# Altium PCB shoubing.PcbDoc
Units mil, origin at the board's own origin, x right, y up, seen from the top; angles counter-clockwise.
Board outline 3891.38 x 2896.04 mil, 2 copper layers (Top Layer, Bottom Layer); 33 components, 50 nets, 145 pads, 63 vias.
Unrouted connection lines stored in the file: 14.
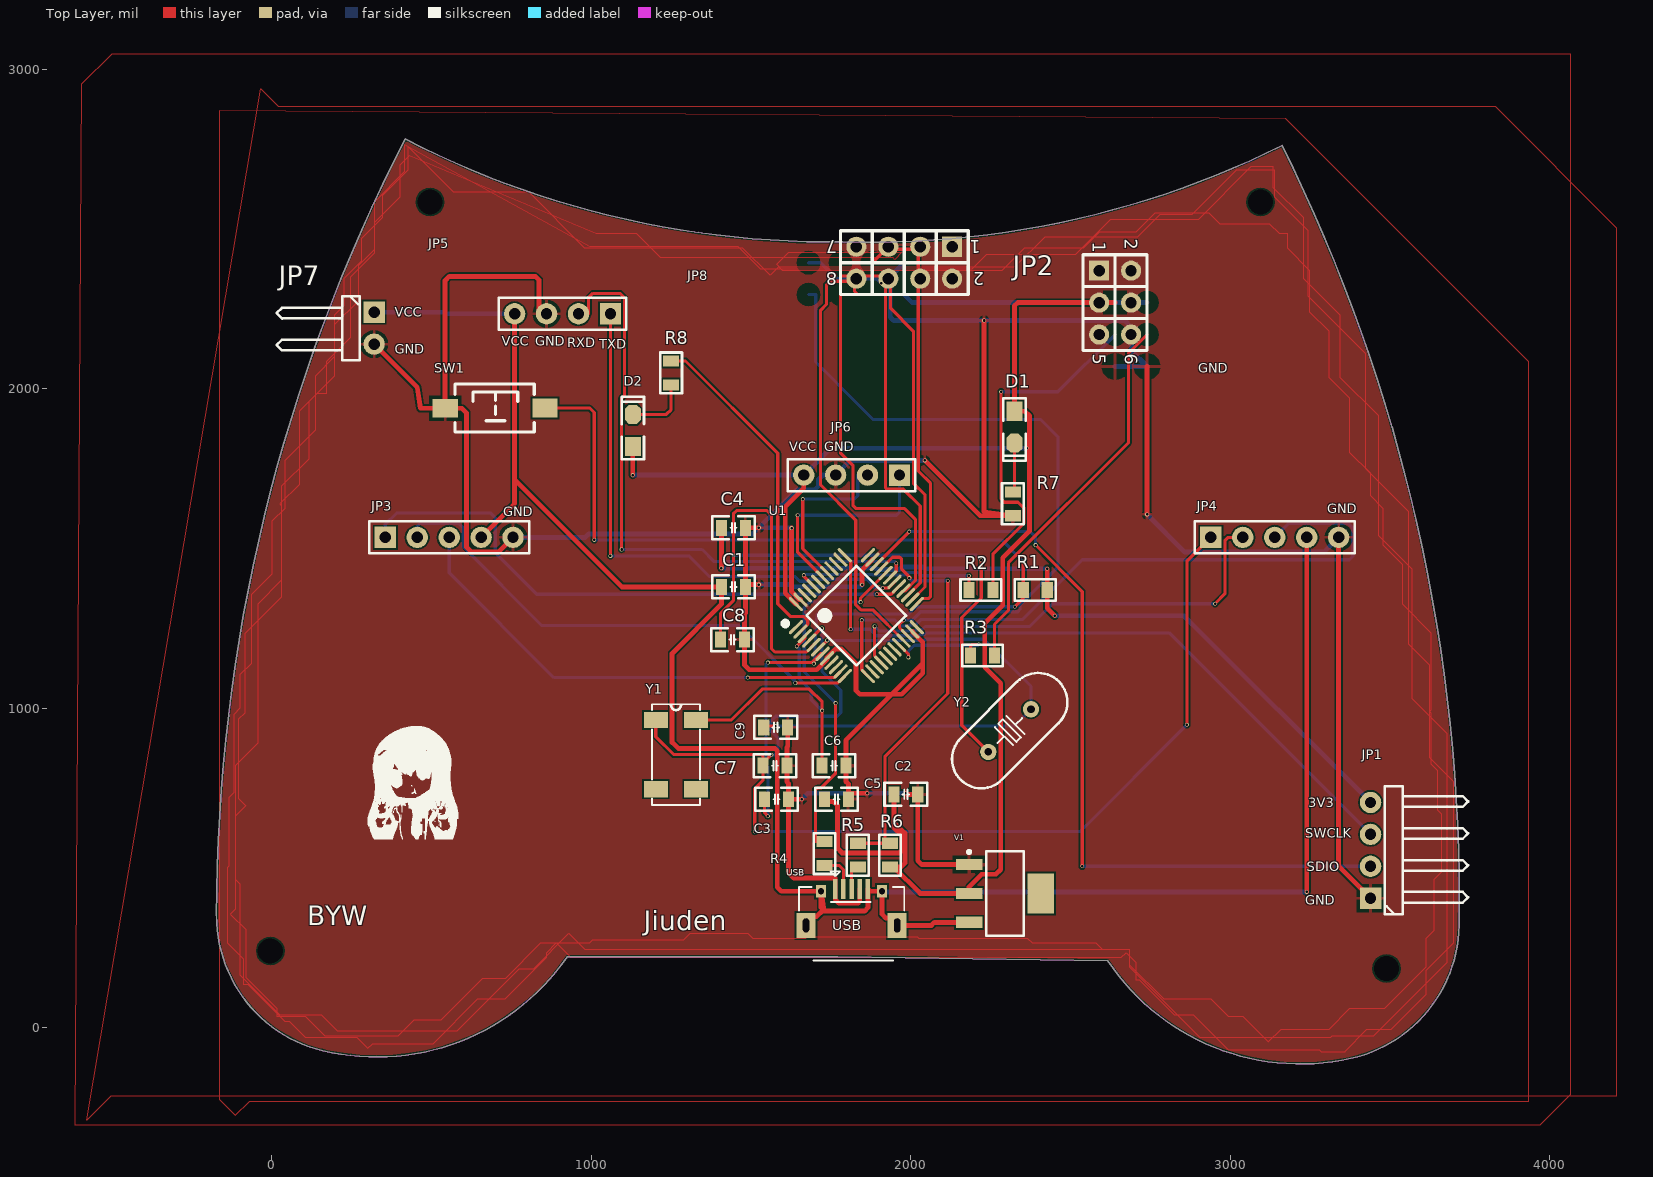
[diagram p0: Top Layer view]
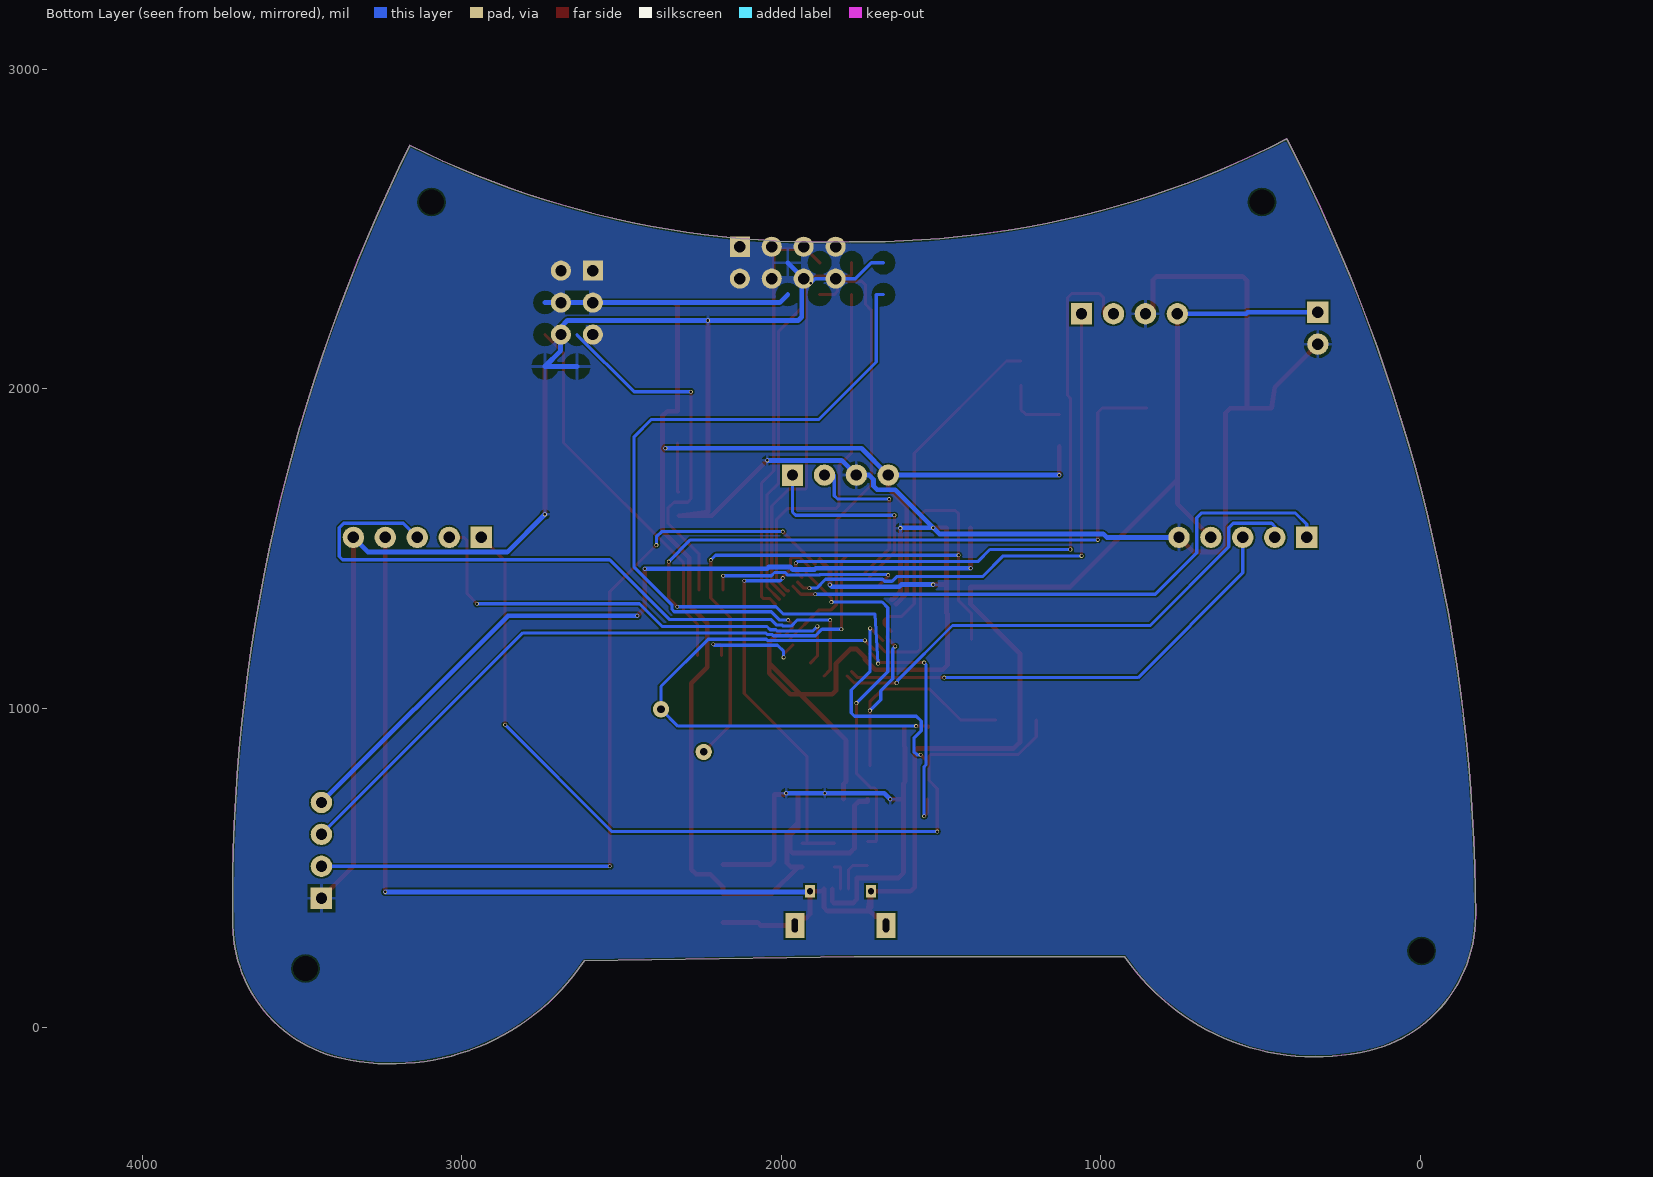
[diagram p1: Bottom Layer view, seen from below]

## Layer stack, top to bottom
Top Solder: solder mask 0.4, Solder Resist, Dk 3.5
Top Layer: signal copper 1.4
Dielectric 1: dielectric 12.6, FR-4, Dk 4.8
Bottom Layer: signal copper 1.4
Bottom Solder: solder mask 0.4, Solder Resist, Dk 3.5

## Board outline
159.5,-72.25 cw(c260.17,349.58) -173.5,349.58 cw(c5131.45,349.58) 417.27,2782.5 ccw(c1743.77,5352.79) 1787.79,2460.72 ccw(c1875.09,5351.81) 3162.97,2761.96 cw(c-1587.07,399.84) 3717.28,320.47 cw(c3283.66,326.96) 3378,-96.32 cw(c3220.38,610.91) 2617.44,209.04 1771.04,221.71 924.55,221.71 cw(c327.69,632.55)

## Design rules (kind name [scope] priority, off if disabled: settings)
Clearance [All] p1: gap=5 ignorepadtopadclearanceinfootprint=FALSE
HoleSize [All] p1: absolutevalues=TRUE maxlimit=14 minlimit=8 maxpercent=80.000 minpercent=20.000
PolygonConnect [All] p1: connectstyle=Relief reliefconductorwidth=10 reliefentries=4 polygonreliefangle="90 Angle" airgapwidth=10
RoomDefinition Sheet1 [InComponentClass('Sheet1')] p1: confinementstyle=ConfineIn formatcopy=TRUE lockcomponents=FALSE outline -2145,-2105 -145,-2105 -145,-1105 -2145,-1105
RoutingVias [All] p1: holewidth=7.87 width=11.81 viastyle="Through Hole" minholewidth=3.94 minwidth=23.62 maxholewidth=7.87 maxwidth=11.81
SolderMaskExpansion [All] p1: expansion=4
Width Power [InNetClass('power')] p1: maxlimit=20 minlimit=5 preferedwidth=15
Width [InNetClass('All Nets')] p2: maxlimit=10 minlimit=10 preferedwidth=10
29 further rules are at their usual default settings.

## Components (designator, comment, footprint, x,y, rotation, side; value= is the part's Value field where it differs from the comment)
C1 "106" "C 0805_L" 1445,1380 r180 top
C2 "104" "C 0805_L" 1985,730 r180 top
C3 "104" "C 0805_L" 1580,715 r180 top
C4 "104" "C 0805_L" 1445,1565 r180 top
C5 "104" "C 0805_L" 1767.6,715 r180 top
C6 "104" "C 0805_L" 1760,820 r0 top
C7 "104" "C 0805_L" 1575.16,820 r0 top
C8 "104" "C 0805_L" 1442.4,1215 r180 top
C9 "104" "C 0805_L" 1577.4,940 r180 top
D1 "LED" "LED 0805G" 2325,1880 r270 top
D2 "LED" "LED 0805G" 1130,1870 r90 top
JP1 "HDR-1X4" HDR2.54-WI-4P 3440,555 r90 top
JP2 "Header3X2" HDR2.54-LI-2x3P 2640,2270 r270 top
JP3 "HDR-1X5" HDR2.54-LI-5P 555,1535 r0 top
JP4 "HDR-1X5" HDR2.54-M-LI-5P 3140,1535 r0 top
JP5 "HDR-1X4" HDR2.54-M-LI-4P 910,2235 r180 top
JP6 "HDR-1X4" HDR2.54-M-LI-4P 1815,1730 r180 top
JP7 "HDR-1X2" HDR2.54-WI-2P 320,2190 r270 top
JP8 "Header 4X2" HDR2.54-LI-2x4P 1980,2395 r180 top
R1 "10K" "R 0805_L" 2390.16,1370 r0 top
R2 "1K" "R 0805_L" 2220,1370 r0 top
R3 "1K" "R 0805_L" 2225,1165 r180 top
R4 "1K" "R 0805_L" 1730,545 r90 top
R5 "1K" "R 0805_L" 1834.52,540 r90 top
R6 "1K" "R 0805_L" 1935,540 r90 top
R7 "680" "R 0805_L" 2320,1640 r90 top
R8 "680" "R 0805_L" 1250,2049.84 r90 top
SW1 "3x6x5" "TSW SMD-3*6*2.5" 700,1940 r0 top
U1 "STM32F103C8T6" "TQFP48 7x7_L" 1830,1290 r315 top
USB "USB-mrico" USB-micro_B 1815,320 r0 top
V1 "AMS1117-3V3" SOT223_L 2295,420 r0 top
Y1 "32.768K" MC-306 1265,855 r270 top
Y2 "12MHz" "OSC HC-49S" 2310,930 r225 top

## Footprints (in the part's own frame and the unit in brackets; to place one, negate y for a bottom-side part, rotate by r counter-clockwise, add the part's x,y. Pads: shape width x height; smd on the part's side, far side on the other; paste and mask are expansions set on the pad)
"C 0805_L" [mil] "无极性贴片电容                                        淘宝ID:黄晶宝石"
  rect 35x50 smd: 1(-37.4,0) 2(37.4,0)
  silkscreen extent -67,-36 67,36, body extent -39,-24 39,24, height 20
HDR2.54-LI-2x3P [mm] "双排排针，3x2脚"
  rect 1.6x1.6 hole 0.9: 1(-2.54,-1.27)
  round 1.6 hole 0.9: 2(-2.54,1.27) 3(0,-1.27) 4(0,1.27) 5(2.54,-1.27) 6(2.54,1.27)
  silkscreen extent -3.81,-2.54 3.81,2.54, body extent -3.81,-2.54 3.81,2.54, height 8.5
HDR2.54-LI-2x4P [mm] "双排排针，4x2脚"
  rect 1.6x1.6 hole 0.9: 1(-3.81,-1.27)
  round 1.6 hole 0.9: 2(-3.81,1.27) 3(-1.27,-1.27) 4(-1.27,1.27) 5(1.27,-1.27) 6(1.27,1.27) 7(3.81,-1.27) 8(3.81,1.27)
  silkscreen extent -5.08,-2.54 5.08,2.54, body extent -5.08,-2.54 5.08,2.54, height 8.5
HDR2.54-LI-5P [mm] "排针，5脚"
  rect 1.7x1.7 hole 0.9: 1(-5.08,0)
  round 1.7 hole 0.9: 2(-2.54,0) 3(0,0) 4(2.54,0) 5(5.08,0)
  silkscreen extent -6.35,-1.27 6.35,1.27, body extent -6.35,-1.27 6.35,1.27, height 8.5
HDR2.54-M-LI-4P [mm] "排母，4脚"
  rect 1.7x1.7 hole 0.9: 1(-3.81,0)
  round 1.7 hole 0.9: 2(-1.27,0) 3(1.27,0) 4(3.81,0)
  silkscreen extent -5.08,-1.27 5.08,1.27, body extent -5.08,-1.27 5.08,1.27, height 8.5
HDR2.54-M-LI-5P [mm] "排母，5脚"
  rect 1.7x1.7 hole 0.9: 1(-5.08,0)
  round 1.7 hole 0.9: 2(-2.54,0) 3(0,0) 4(2.54,0) 5(5.08,0)
  silkscreen extent -6.35,-1.27 6.35,1.27, body extent -6.35,-1.27 6.35,1.27, height 8.5
HDR2.54-WI-2P [mm] "弯脚排针，2脚"
  rect 1.7x1.7 hole 0.9: 1(-1.27,0)
  round 1.7 hole 0.9: 2(1.27,0)
  silkscreen extent -2.54,-7.76 2.54,-1.14, body extent -2.54,-7.77 2.54,1.27, height 4.85
HDR2.54-WI-4P [mm] "弯脚排针，4脚"
  rect 1.7x1.7 hole 0.9: 1(-3.81,0)
  round 1.7 hole 0.9: 2(-1.27,0) 3(1.27,0) 4(3.81,0)
  silkscreen extent -5.08,-7.76 5.08,-1.14, body extent -5.08,-7.77 5.08,1.27, height 4.85
"LED 0805G" [mil] "绿色0805LED"
  rect 60x50 smd: 1(-50,0)
  oct 60x50 smd: 2(50,0)
  silkscreen extent -90,-35 105,35, body extent -39,-25 39,25, height 32
MC-306 [mm]
  rect 1.3x1.9 smd: 1(-2.75,-1.6) 2(2.75,-1.6) 3(2.75,1.6) 4(-2.75,1.6)
  silkscreen extent -4,-1.9 4,1.9
"OSC HC-49S" [mm]
  round 1.3 hole 0.6: 1(-2.4,0) 2(2.4,0)
  silkscreen extent -5.52,-2.32 5.52,2.33, body extent -5.52,-2.32 5.53,2.33, height 4.13
"R 0805_L" [mil] "1/8W贴片电阻"
  rect 35x50 smd: 1(-37.4,0) 2(37.4,0)
  silkscreen extent -64,-34 64,34, body extent -39,-25 39,25, height 20
SOT223_L [mm] "SOT223, 4-Leads, Body 6.5x3.5mm, Pitch 2.3mm, Lead Span 7mm, IPC High Density"
  rect 2.1x0.9 smd: 1(-2.85,2.3) 2(-2.85,0) 3(-2.85,-2.3)
  rect 2.1x3.2 smd: 4(2.85,0)
  silkscreen extent -2.97,-3.35 1.5,3.42, body extent -1.85,-3.35 1.85,3.35, height 1.7
"TQFP48 7x7_L" [mm] "48脚，体宽：7x7mm, 脚距：0.5mm"
  oval 0.25x1.5 smd: 1(-2.75,-4.046) 2(-2.25,-4.046) 3(-1.75,-4.046) 4(-1.25,-4.046) 5(-0.75,-4.046) 6(-0.25,-4.046) 7(0.25,-4.046) 8(0.75,-4.046) 9(1.25,-4.046) 10(1.75,-4.046) 11(2.25,-4.046) 12(2.75,-4.046) 25(2.75,4.046) 26(2.25,4.046) 27(1.75,4.046) 28(1.25,4.046) 29(0.75,4.046) 30(0.25,4.046) 31(-0.25,4.046) 32(-0.75,4.046) 33(-1.25,4.046) 34(-1.75,4.046) 35(-2.25,4.046) 36(-2.75,4.046)
  oval 1.5x0.25 smd: 13(4.046,-2.75) 14(4.046,-2.25) 15(4.046,-1.75) 16(4.046,-1.25) 17(4.046,-0.75) 18(4.046,-0.25) 19(4.046,0.25) 20(4.046,0.75) 21(4.046,1.25) 22(4.046,1.75) 23(4.046,2.25) 24(4.046,2.75) 37(-4.046,2.75) 38(-4.046,2.25) 39(-4.046,1.75) 40(-4.046,1.25) 41(-4.046,0.75) 42(-4.046,0.25) 43(-4.046,-0.25) 44(-4.046,-0.75) 45(-4.046,-1.25) 46(-4.046,-1.75) 47(-4.046,-2.25) 48(-4.046,-2.75)
  silkscreen extent -3.68,-4.57 2.79,2.79, body extent -4.5,-4.5 4.5,4.5, height 1.05
"TSW SMD-3*6*2.5" [mm] "3*6*2.5mm"
  rect 2x1.5 smd: 1(-3.996,-0.02) 2(3.937,0)
  silkscreen extent -3.21,-1.9 3.09,1.9, body extent -4,-1.88 4,1.62, height 2.59
USB-micro_B [mm] "micro型USB ，5.7*7.8*2.5mm"
  rect 0.35x1.6 smd: 1(-1.3,2.9) 2(-0.65,2.9) 3(0,2.9) 4(0.65,2.9) 5(1.3,2.9)
  rect 1.5x2 hole 0.5 slot 1.1 at 90 deg: 5(-3.625,0) 5(3.625,0)
  rect 0.8x1 hole 0.5: 5(-2.425,2.71) 5(2.425,2.71)
  silkscreen extent -4.19,-2.79 4.19,4.3, body extent -4,-2.71 4,2.89, height 2.8

## Part data
C1 C2 C3 C4 C5 C6 C7 C8 C9: library part C, "贴片电容"
JP1 JP5 JP6: library part "Header 4", "4P接插件"
  JP5 JP6: BOM名称=4P接, 学习资源=https://shop463601444.taobao., 版权归属=封装库来自淘
JP2: library part "Header 3X2", "3*2P接插件"
JP3 JP4: library part "Header 5", "5P接插件", BOM名称=5P接, 学习资源=https://shop463601444.taobao., 版权归属=封装库来自淘
JP7: library part "Header 2", "2P接插件"
JP8: "4*2P接插件"
R1 R2 R3 R4 R5 R6 R7 R8: library part R, "贴片电阻"
SW1: library part "TSW 3x6", "3x6轻触开关", BOM名称=3x6Çá´, 学习资源=https://shop463601444.taobao., 版权归属=封装库来自淘
USB: library part usb-STM
V1: library part AMS1117, "三端稳压芯片", BOM名称=ÎÈÑ, 欢迎光临淘宝店铺=https://shop463601444.tao, 淘宝ID=封装库来自淘宝
Y1: library part XTAL, LatestRevisionDate=17-Jul-2002, LatestRevisionNote="Re-released for DXP Platform.", Published=8-Jun-2000, Publisher="Altium Limited"
Y2: library part XTAL-2P, "2脚无源脚晶振"

## Via types
v1: diameter 11.81, hole 7.87, Top Layer to Bottom Layer, 59 vias
v2: diameter 50/50 (per signal layer), hole 78.74, Top Layer to Bottom Layer, 4 vias

## Nets (pads, with @x,y where several pads share a name; then routed paths per layer and width w, separated by ;. In a path a pad name is that pad's centre, name@x,y a point inside that pad or via, vN(x,y) a via of type N, cw(c..) or ccw(c..) an arc to the next point about the centre after c; other vN are vias at no path point)
3V3: C4.2 JP1.4 R1.2 | length 2542.1
  Top Layer w15: v1(1407.6,1438.5) C4.2 ; v1(2427.55,1437) R1.2 2427.55,1313 v1(2451,1289.55)
  Bottom Layer w15: v1(1407.6,1438.5) 1892.16,1438.5 1896.41,1434.25 1964.05,1434.25 1972.2,1442.41 2039.01,1442.41 2044.42,1437 v1(2427.55,1437) ; v1(2451,1289.55) 2855.45,1289.55 JP1.4
+5: C1.2 JP3.4 JP4.4 JP5.4 JP7.1 USB.5 V1.3 | length 6716
  Top Layer w15: JP3.4 760,1640 760,1716 ; JP5.4 760,1716 ; USB.5@1672.28,320 1672.28,347 1705,347 1726.26,368.26 ; V1.3 2074.45,329.45 2065,320 1957.72,320 1957.72,343 1922.47,343 1910.47,355 1910.47,426.69 1873.66,426.69 1866.18,434.17 1866.18,375 1856.18,365 1729.53,365 ; v1(3240,425) JP4.4 ; 760,1716 1096,1380 C1.2 1407.6,1326 1253,1171.4 1253,893 1272,874 1575,874 1582.41,866.59 1582.41,439.59 1595,427 1719.53,427 USB.5@1719.53,426.69 ; USB.5@1719.53,426.69 1729.53,365 ; USB.5@1719.53,426.69 1719.53,375 1726.26,368.26 ; 1726.26,368.26 1729.53,365
  Bottom Layer w15: JP7.1 540,2240 545,2235 JP5.4 ; USB.5@1910.47,426.69 1910.47,425 v1(3240,425)
BOOT0: R2.1 U1.44 | length 619.9
  Top Layer w10: v1(1665,1416.75) 1665,1413.24 U1.44 ; R2.1 v1(2182.6,1415)
  Bottom Layer w10: v1(1665,1416.75) 1667.16,1418.91 1878.91,1418.91 1881.06,1416.75 1979.7,1416.75 1987.86,1424.91 2021.51,1424.91 2031.42,1415 v1(2182.6,1415)
BOOT1: R3.2 U1.20 | length 357.8
  Top Layer w10: U1.20 1991.76,1170 1993,1170 v1(1993,1159) ; R3.2 2187.6,1195 2192.6,1200 v1(2213,1200)
  Bottom Layer w10: v1(1993,1159) 1993,1178 2012.09,1197.09 2210.09,1197.09 v1(2213,1200)
GND: C1.1 C2.1 C3.1 C4.1 C5.1 C6.2 C7.2 C8.1 C9.1 JP1.1 JP2.5 JP2.6 JP3.5 JP4.5 JP5.3 JP6.3 JP7.2 JP8.1 R7.1 SW1.1 U1.8 U1.23 U1.35 U1.47 USB.1 USB.4 V1.1 | length 12099.4
  Top Layer w15: JP7.2 455,2005 465,1939.21 SW1.1@542,1939.21 ; JP3.5 709,1489 625,1489 609,1505 609,1925.21 595,1939.21 SW1.1 SW1.1@542,1939.21 ; JP5.3 836,2235 836,2341 825,2352 555,2352 542,2339 SW1.1@542,1939.21 ; v1(1525,1387) C1.1@1482.4,1387 ; v1(1525,1565) C4.1 C1.1@1482.4,1387 ; C9.1 1614.8,880.25 1612.56,878 C7.2 1612.56,769.85 1617.4,765 C3.1 ; v1(1627,1564) 1627,1364.53 1651.53,1340 U1.47 ; v1(1659,715) C3.1 ; C5.1 C5.1@1805,734 ; USB.4 1840.59,395 1835.59,390 1775,390 1763.82,401.18 USB.1 1763.82,468 1634.4,468 1617.4,485 C3.1 ; v1(1848,1386.41) 1848,1433.27 U1.35 ; v1(1864,734) C5.1@1805,734 ; v1(1985,734) 1989,730 C2.1 2022.4,523.15 2035,510.55 V1.1 ; U1.23 2038,1207.27 2038,1140.61 ; v1(2044,1776) 2217.4,1602.6 R7.1 2229.81,1615 v1(2229.81,2214) ; v1(2740,1607) 2740,2070 ; JP4.5 3340,505 JP1.1 ; C1.1@1482.4,1387 C1.1 1482.4,1298.6 1479.8,1296 C8.1 1479.8,1135 1494.03,1120.77 1705.73,1120.77 1738.24,1153.29 U1.8 1738.24,1159.68 1763.56,1185 1783.56,1185 1829,1139.56 1829,1055 1840.5,1043.5 1940.88,1043.5 ; C5.1@1805,734 1805,763 1797.4,770.6 C6.2 1797.4,900.01 1940.88,1043.5 ; 1940.88,1043.5 2038,1140.61 ; 1940.88,1043.5 1971.5,1043.5 2038,1110 2038,1140.61
  Bottom Layer w15: JP3.5 981.15,1535 992,1545.85 1505.85,1545.85 v1(1525,1565) ; v1(1525,1387) 1624.43,1387 1631.08,1380.35 1841.94,1380.35 v1(1848,1386.41) ; v1(1627,1564) 1626,1565 v1(1525,1565) ; v1(1659,715) 1678,734 v1(1864,734) v1(1985,734) ; 1980,2395 1936,2351 1936,2225 1947,2214 v1(2229.81,2214) 2670,2214 2691,2193 2691,2119 2740,2070 2640,2070 ; v1(2044,1776) 1811,1776 JP6.3 1725,1730 1711,1716 1711,1695 1700,1684 1644,1684 v1(1525,1565) ; v1(2740,1607) 2858,1489 3294,1489 JP4.5
NetD1_2: D1.2 R7.2 | length 157.6
  Top Layer w10: R7.2 2325,1677.4 D1.2
NetD2_2: D2.2 R8.1 | length 203.7
  Top Layer w10: D2.2 1235,1920 1250,1935 R8.1
NetJP2_3: JP2.3 R2.2 | length 1147.6
  Top Layer w10: R2.2 2257.4,1482.39 2355,1580 2355,1626 2336,1645 2293,1645 2283,1655 v1(2283,1991)
  Bottom Layer w10: v1(2283,1991) 2461,1991 2640,2170
NetJP2_4: JP2.4 R3.1 | length 1202.8
  Top Layer w10: R3.1 2262.4,1262.4 2306,1306 2306,1455 2682,1831 2682,2112 2740,2170
NetR4_1: R4.1 USB.2 | length 125.4
  Top Layer w10: R4.1 1776.81,507.6 1789.41,495 USB.2
NetR5_1: R5.1 USB.3 | length 87.9
  Top Layer w10: USB.3 1815,502.6 R5.1
NRST: C3.2 R1.1 SW1.2 U1.7 | length 3603.1
  Top Layer w10: SW1.2 995,1940 1009,1926 v1(1009,1527) ; C3.2 1542.6,672.4 v1(1553,662) ; v1(1553,1143.08) 1690.27,1143.08 1697.68,1150.49 ; v1(1697,1140) 1697.68,1150.49 ; U1.7 1717.59,1170.4 1697.68,1150.49 ; v1(2326,1318) 2352.75,1344.75 R1.1 v1(2352.75,1459)
  Bottom Layer w10: v1(1009,1527) 2284.75,1527 v1(2352.75,1459) ; v1(1553,662) 1553,816.87 1547.09,822.78 1547.09,1137.18 v1(1553,1143.08) ; v1(1697,1140) 1707,1295 1993.81,1295 2016.81,1318 v1(2326,1318)
OSCIN: C8.2 U1.5 Y2.2 | length 2546.5
  Top Layer w10: C8.2 1405,1297 1445,1337 v1(1445,1479) 1445,1609 1455,1619 1550,1619 1564,1605 1564,1187 1575,1176 1674.24,1176 U1.5 ; v1(2221,1464) 2221,1345 2160,1284 2160,946.37 Y2.2
  Bottom Layer w10: v1(1445,1479) 2206,1479 v1(2221,1464)
OSCOUT: C9.2 U1.6 Y2.1 | length 1674.8
  Top Layer w10: C9.2 1540,944 v1(1578,944) ; U1.6 v1(1738.18,1212.09)
  Bottom Layer w10: v1(1578,944) 2324,944 Y2.1 2376.81,1068.19 2229,1216 2047.38,1216 2043.47,1212.09 v1(1738.18,1212.09)
PA0: U1.10
PA1: JP3.3 U1.11 | length 1479.6
  Top Layer w10: v1(1490,1096) 1761.27,1096 U1.11
  Bottom Layer w10: JP3.3 555,1424 883,1096 v1(1490,1096)
PA2: JP3.2 U1.12 | length 1631.3
  Top Layer w10: v1(1639,1079) 1772.11,1079 U1.12
  Bottom Layer w10: JP3.2 455,1569 465,1579 585,1579 599,1565 599,1505 845,1259 1464,1259 1636.5,1086.5 1636.5,1081.5 v1(1639,1079)
PA3: JP4.3 U1.13 | length 2176
  Top Layer w10: v1(1847,1275.87) 1847,1119.89 U1.13
  Bottom Layer w10: v1(1847,1275.87) 1950.79,1275.87 1969.56,1257.09 1994.7,1257.09 1998.47,1260.87 2015.77,1260.87 2032.91,1278 2350.75,1278 2537.75,1465 3374,1465 3384,1475 3384,1565 3370,1579 3184,1579 JP4.3
PA4: U1.14
PA5: U1.15
PA6: JP4.2 U1.16 | length 1500
  Top Layer w10: v1(1887,1256) 1887,1163.4 U1.16 ; v1(2953,1327) 2984,1358 2984,1525 2994,1535 JP4.2
  Bottom Layer w10: v1(1887,1256) 1900.91,1242.09 2013.47,1242.09 2017.24,1245.87 2034.81,1245.87 2044.94,1256 2373,1256 2444,1327 v1(2953,1327)
PA7: U1.17
PA8: JP3.1 U1.29 | length 1843.9
  Top Layer w10: v1(1894,1357) 1938.76,1357 U1.29
  Bottom Layer w10: JP3.1 355,1576 390,1611 685,1611 699,1597 699,1487 829,1357 v1(1894,1357)
PA9: JP5.1 U1.30 | length 1702.6
  Top Layer w10: v1(1060,1477) JP5.1 ; v1(1912,1376) 1929.92,1376 U1.30
  Bottom Layer w10: v1(1060,1477) 1305,1477 1370,1412 1639,1412 1653.15,1397.85 1677,1397.85 1683.06,1403.91 1861.75,1403.91 1889.66,1376 v1(1912,1376)
PA10: JP5.2 U1.31 | length 1927.5
  Top Layer w10: JP5.2 991,2235 991,2285 1005,2299 1090,2299 1104,2285 1104,1980 1095,1971 v1(1095,1497) ; U1.31 1955,1428.92 v1(1955,1453.91)
  Bottom Layer w10: v1(1095,1497) 1347,1497 1385,1459 1949.91,1459 v1(1955,1453.91)
PA11: R4.2 U1.32 | length 1139.9
  Top Layer w10: R4.2 1704.6,582.4 1702,585 1702,745 1707,750 1719,750 1765,796 v1(1765,1016) ; v1(1842.98,1332.5) 1842.98,1344.74 U1.32
  Bottom Layer w10: v1(1765,1016) 1666.85,1114.15 1666.85,1315 1684.35,1332.5 v1(1842.98,1332.5)
PA12: R5.2 R6.2 U1.33 | length 1282.9
  Top Layer w10: R5.2 R6.2@1920,577.4 ; U1.33 1943.05,1472.65 1965.41,1472.65 1971.53,1466.53 1971.53,1435.57 1999.75,1407.35 v1(1995.61,1407.35) ; R6.2 R6.2@1920,577.4 ; v1(2116,1399) 2116,1046 1920,850 R6.2@1920,577.4
  Bottom Layer w10: v1(1995.61,1407.35) 2003.95,1399 v1(2116,1399)
PA15: U1.38
PB0: U1.18
PB1: U1.19
PB3: U1.39
PB4: U1.40
PB5: JP6.2 U1.41 | length 535.2
  Top Layer w10: v1(1662,1655) 1662,1499.76 U1.41
  Bottom Layer w10: v1(1662,1655) 1824,1655 1834,1665 1834,1730 JP6.2
PB6: JP6.1 U1.42 | length 666
  Top Layer w10: v1(1646,1604) 1646,1487.92 U1.42
  Bottom Layer w10: v1(1646,1604) 1955,1604 1965,1614 JP6.1
PB7: U1.43
PB8: U1.45
PB9: U1.46
PB10: JP8.4 U1.21 | length 1428.7
  Top Layer w10: 1880,2295 1834,2295 1824,2305 1824,2325 1812,2337 1748,2337 1736,2325 1736,2264 1718,2246 1718,1699 1828,1589 1828,1401 1827,1400 1827,1325 1844,1308 1881.6,1308 U1.21
PB11: JP8.8 U1.22 | length 2122.7
  Top Layer w10: v1(1978.43,1275.87) 1965,1262.44 1965,1252.44 U1.22
  Bottom Layer w10: 1680,2295 1703,2295 1703,2084 1883,1904 2407,1904 2461,1850 2461,1442 2341.91,1322.91 2341.91,1309 2335,1302.09 2031.13,1302.09 2004.91,1275.87 v1(1978.43,1275.87)
PB12: JP8.3 U1.25 | length 1313.5
  Top Layer w10: 1880,2395 1922,2437 2017.5,2437 2023.47,2431.03 2023.47,1742.79 2062.31,1703.94 2062.31,1349.91 2056.41,1344 2037.12,1344 U1.25
PB13: JP8.5 U1.26 | length 1263
  Top Layer w10: 1780,2395 1780,2358 1785,2353 1925,2353 1937,2341 1937,2252 2008.47,2180.53 2008.47,1704.53 2044.75,1668.25 2044.75,1379.48 U1.26
PB14: JP8.7 U1.27 | length 1333.4
  Top Layer w10: v1(1908,2330.5) 1917,2330.5 1921.5,2326 1921.5,1689.5 1925,1686 1977,1686 2029.75,1633.25 2029.75,1392.31 U1.27
  Bottom Layer w10: 1680,2395 1718,2395 1768,2345 1893.5,2345 v1(1908,2330.5)
PB15: JP8.6 U1.28 | length 1131.9
  Top Layer w10: 1780,2295 1780,1800 1819,1761 1819,1635 1829,1625 1981,1625 2014.75,1591.25 2014.75,1400 1982.59,1367.84 U1.28
PC13: R8.2 U1.2 | length 1085.1
  Top Layer w10: R8.2 1295,2087.24 1584,1798.24 1584,1327 1624,1287 1666,1287 1678,1275 1678,1263.27 U1.2
PC14: C6.1 U1.3 Y1.4 | length 928.5
  Top Layer w10: Y1.4 1438.27,963.27 1535,1060 1683,1060 1722.6,1020.4 v1(1722.6,992.68) C6.1 ; v1(1643,1193.7) 1668.65,1219.35 U1.3
  Bottom Layer w10: v1(1643,1193.7) 1651,1185.7 1651,1092 1688.65,1054.35 1688.65,1026.62 v1(1722.6,992.68)
PC15: C7.1 JP4.1 U1.4 Y1.1 | length 3510.9
  Top Layer w10: Y1.1 1202,911 1258,855 1532.75,855 1537.75,850 C7.1@1537.75,827.75 ; v1(1512,614) 1512,748.25 1537.75,774 C7.1 C7.1@1537.75,827.75 ; v1(1564,854) C7.1@1537.75,827.75 ; U1.4 1720.4,1250 v1(1722,1250) ; v1(2865,948) 2865,1460 JP4.1
  Bottom Layer w10: v1(1512,614) 2531,614 v1(2865,948) ; v1(1564,854) 1575,854 1585,864 1585,906.09 1562.09,929 1562.09,960 1577.09,975 1771,975 1781,985 1781,1057 1722,1116 v1(1722,1250)
SWCLK: JP1.3 U1.37 | length 2141.3
  Top Layer w10: U1.37 1812.32,1460.79 1812.32,1433.32 1812,1433 v1(1812,1247)
  Bottom Layer w10: v1(1812,1247) 1873,1247 1892.91,1227.09 2024.7,1227.09 2028.47,1230.87 2044.67,1230.87 2049.81,1236 2809,1236 JP1.3
SWDIO: JP1.2 U1.34 | length 2541.3
  Top Layer w10: U1.34 v1(1995.56,1553) ; v1(2391,1511.01) 2537,1365.01 v1(2537,505)
  Bottom Layer w10: v1(1995.56,1553) 2375,1553 2391,1537 v1(2391,1511.01) ; v1(2537,505) JP1.2
VBAT: U1.1
VCC: C2.2 C5.2 D1.1 D2.1 JP2.1 JP2.2 JP6.4 JP8.2 R6.1 U1.9 U1.24 U1.36 U1.48 V1.2 | length 5972.4
  Top Layer w15: v1(1130,1730) D2.1 ; U1.48 1607,1359.89 1607,1631 1665,1689 JP6.4 ; C5.2 1730.2,708 1758,708 1771,695 1771,561 1785,547 1965,547 1973,555 1973,600 1947.6,625.4 1947.6,643.4 ; R6.1 R6.1@1947,502.6 ; C2.2 1947.6,643.4 ; v1(2363,1814) 2372.5,1814 ; 2640,2270 2335,2270 2325,2260 D1.1 2357.5,1930 2372.5,1915 2372.5,1814 ; R6.1@1947,502.6 1969.6,502.6 1982,515 1982,609 1947.6,643.4 ; R6.1@1947,502.6 2029.6,420 V1.2 2182.8,440.8 2222,480 2267,480 2282,495 2282,1078 2232,1128 2232,1266 2288,1322 2288,1470.5 2372.5,1555 2372.5,1814
  Bottom Layer w15: v1(1130,1730) JP6.4 1749,1814 v1(2363,1814) ; 1980,2295 2005,2270 2640,2270 2740,2270
pads on no net: V1.4 Y1.2 Y1.3
copper on no net:
  other v2: 3490,185 -5,240 495,2585 3095,2585

## Polygon pours and split planes (outlines as drawn)
GND on Top Layer (solid, remove dead copper, pour order 20): -595,3095 -705,2985 -705,-345 4025,-345 4260,-110 3885,265 3885,3000
no net on Top Layer "Top Layer-No Net 6" (solid, shelved, pour order 16): -595,2955 -500,3050 4065,3050 4065,-210 3970,-305 -615,-305
GND on Top Layer "Top Layer-No Net 5" (solid, remove dead copper, shelved, pour order 14): -35,2940 20,2885 3830,2885 4210,2505 4210,-215 -505,-215 -580,-290
GND on Top Layer "Top Layer-No Net 4" (solid, remove dead copper, shelved, pour order 12): 430,2730 400,2700 400,2600 320,2520 320,2435 270,2385 270,2275 195,2200 195,2039.61 115,1959.61 115,1780 30,1695 30,1347.5 -85,1232.5 -85,985 -105,965 -105,717.5 -82.5,695 -115,662.5 -115,370 -130,355 -82.5,307.5 -82.5,157.5 15,60 15,35 105,35 165,-25 395,-25 445,25 530,25 660,155 732.5,155 842.5,265 995,265 1005,275 1290,275 1310,295 1490,295 1505,280 1671.48,280 1676.48,285 2020,285 2025,280 2365,280 2380,265 2580,265 2600,245 2685,245 2685,197.5 2792.5,90 2940,90 2995,35 3040,35 3120,-45 3160,-5 3310,-5 3375,60 3485,60 3615,190 3615,280 3640,305 3640,465 3662.5,487.5 3662.5,667.5 3650,680 3650,805 3630,825 3630,985 3625,990 3630,995 3630,1235 3540,1325 3540,1450 3480,1510 3480,1625 3440,1665 3440,1735 3375,1800 3375,1970 3310,2035 3310,2180 3250,2240 3250,2370 3180,2440 3180,2485 3155,2485 3125,2515 2970,2515 2935,2550 2765,2550 2705,2490 2590,2490 2540,2440 2355,2440 2285,2370 1600,2370 1580,2390 1617.5,2427.5 1972.5,2427.5 1950,2405 1945,2410 1217,2410 1142,2485 1015,2485
no net on Top Layer "Top Layer-No Net 3" (solid, shelved, pour order 8): 415,2765 415,2680 320,2585 320,2425 245,2350 245,2160 170,2085 170,1985 140.79,1985 85,1929.21 85,1699.69 25,1639.69 30,1634.69 30,1400 -45,1325 -45,890 -115,820 -115,465 -100,450 -100,165 25,40 155,40 205,-10 580,-10 775,185 820,185 930,295 980,245 2685,245 2685,190 2905,-30 3315,-30 3320,-25 3450,-25 3680,205 3680,920 3570,1030 3570,1435 3465,1540 3465,1915 3345,2035 3345,2230 3230,2345 3230,2535 3135,2630 3135,2695 3065,2695 2900,2530 2625,2530 2515,2420 2236,2420 2191,2375 1530,2375 1460,2445 995,2445
no net on Top Layer "Top Layer-No Net" (solid, shelved, pour order 6): 425,2760 425,2685 345,2605 345,2535 280,2470 280,2400 225,2345 225,2260 195,2230 195,2100 135,2040 135,1870 40,1775 40,1625 0,1585 0,1420 -65,1355 -65,1140 -100,1105 -100,1000 -120,980 -120,735 -135,720 -135,505 -140,500 -140,265 -90,215 -90,135 -75,135 40,20 55,20 105,-30 265,-30 300,-65 315,-50 505,-50 645,90 730,90 860,220 860,235 890,265 935,220 2660,220 2675,235 2705,205 2705,150 2715,150 2825,40 2885,40 2995,-70 3280,-70 3285,-75 3360,-75 3360,-73.47 3428.47,-5 3505,-5 3615,105 3615,180 3700,265 3700,770 3625,845 3625,1135 3560,1200 3560,1615 3425,1750 3425,2110 3245,2290 3245,2495 3140,2600 3140,2685 3020,2685 2880,2545 2780,2545 2710,2475 2420,2475 2325,2380 1585,2380 1560,2355 1475,2440 980,2440 805,2615 570,2615
no net on Top Layer "Top Layer-No Net 1" (solid, remove dead copper, shelved, pour order 2): -165,2870 -165,-225 -115,-275 -70,-230 3935,-230 3935,2085 3175,2845
no net on Top Layer "Top Layer-No Net 2" (solid, remove dead copper, shelved, pour order 0): 415,2765
GND on Bottom Layer (solid, remove dead copper, pour order 22): -545,2940 -545,-515 -520,-540 -365,-385 4580,-385 4580,2770 4370,2980

## Keep-outs
Keep-Out Layer:
  the board outline again, w0.5

## Other copper
Top Layer:
  pour cut-out: 1581,2650

## Silkscreen, mask and mechanical layers (free items; w line width, h text height)
Top Overlay:
  drawing of 2263 lines, arcs and shapes, not listed
  text "VCC" at 385,2225 h30
  text "VCC" at 720,2135 h30
  text "GND" at 825,2135 h30
  text "RXD" at 924.33,2130 h30
  text "TXD" at 1025,2125 h30
  text "GND" at 385,2110 h30
  text "GND" at 2900,2050 h30
  text "VCC" at 1620,1805 h30
  text "GND" at 1730,1805 h30
  text "GND" at 3305,1610 h30
  text "GND" at 725,1601 h30
  text "3V3" at 3245,690 h30
  text "SWCLK" at 3235,595 h30
  text "SDIO" at 3240,490 h30
  text "GND" at 3235,385 h30
  text "BYW" at 110,320 h60
  text "Jiuden" at 1165,304.17 h60
Mechanical2:
  the board outline again, w0.5
Mechanical1:
  the board outline again, w0.5

## Text inside footprints (layer, text, board x,y; h text height)
JP2: Top Overlay "1" at 2570,2460 h40 r270; Top Overlay "2" at 2670,2470 h40 r270; Top Overlay "5" at 2570,2110 h40 r270; Top Overlay "6" at 2670,2110 h40 r270
JP8: Top Overlay "7" at 1770,2465 h40 r180; Top Overlay "2" at 2230,2365 h40 r180; Top Overlay "1" at 2220,2465 h40 r180; Top Overlay "8" at 1770,2365 h40 r180